# Altium PCB STM32VET6_PCB.PcbDoc (part 2 of 2)
Units mil, origin at the board's own origin, x right, y up, seen from the top; angles counter-clockwise.
Board outline 4926.29 x 3548.34 mil, 2 copper layers (Top Layer, Bottom Layer); 74 components, 112 nets, 463 pads, 168 vias.
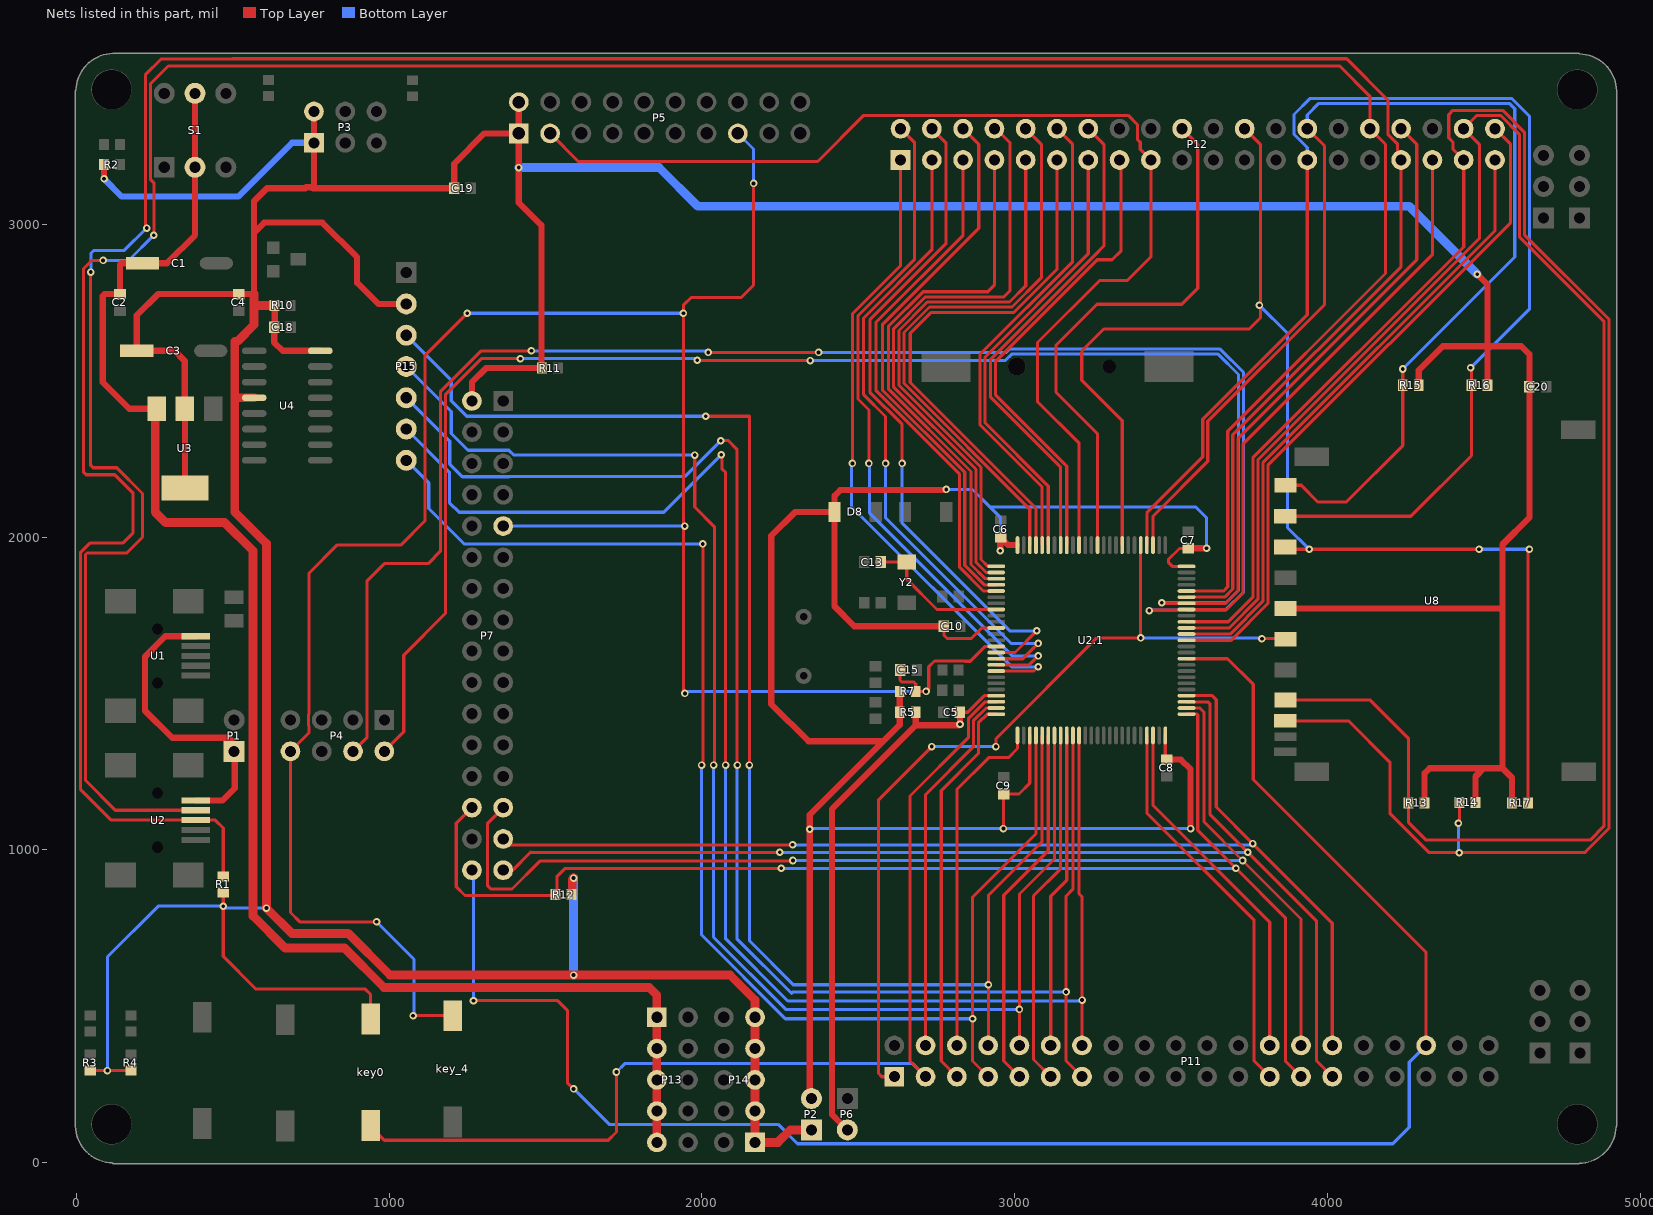
[diagram p2: the nets of this part, all layers, seen from the top]

## Via types
v1: diameter 24, hole 12, Top Layer to Bottom Layer, 91 vias
v2: diameter 24, hole 12, Top Layer to Bottom Layer, tented both sides, 71 vias
v3: diameter 137.8, hole 78.74, Top Layer to Bottom Layer, 4 vias
v4: diameter 66.93, hole 64.57, Top Layer to Bottom Layer, 1 vias
v5: diameter 47.24, hole 45.67, Top Layer to Bottom Layer, 1 vias

## Nets (pads, with @x,y where several pads share a name; then routed paths per layer and width w, separated by ;. In a path a pad name is that pad's centre, name@x,y a point inside that pad or via, vN(x,y) a via of type N, cw(c..) or ccw(c..) an arc to the next point about the centre after c; other vN are vias at no path point) (continued)
NJTRST: P5.3 P12.9 U2.1.90 | length 3606.3
  Top Layer w10: P5.3@1515,3290 1605,3200 2370,3200 2517.5,3347.5 3362.5,3347.5 3392.5,3317.5 3392.5,3270.12 3401,3261.63 3401,3239 P12.9@3435,3205 3435,2895 3360,2820 3271.21,2820 3072.83,2621.63 3072.83,2432.48 3205.63,2299.68 U2.1.90@3205.63,1974.13
OLED_D/C#: P11.34 P15.6 U2.1.36 | length 5020.5
  Top Layer w10: v1(2062,2263) 2064,2261 2064,2218 2076,2206 v1@2076,1269 ; U2.1.36@3205.41,1365.87 3205.41,859.59 3215,850 v1(3215,520) P11.34@3215,375
  Bottom Layer w10: P15.6@1055,2345 1193,2207 1193,2110 1224,2079 1878,2079 v1(2062,2263) ; v1@2076,1269 2076,716 2275,517 3212,517 v1(3215,520)
  other v1: 2075.5,1271
OLED_RES#: P11.7 P15.5 U2.1.35 | length 5081
  Top Layer w10: v1(2060,2308) 2085,2308 2112,2281 v1@2112,1266 ; U2.1.35@3185.94,1365.87 3185.94,873.94 3164,852 v1(3164,546) 3164,326 P11.7@3215,275
  Bottom Layer w10: P15.5@1055,2445 1194,2306 1194,2233 1234.5,2192.5 1382.6,2192.5 1383.1,2193 1945,2193 v1(2060,2308) ; v1@2112,1271 2112,716 2287,541 2292,546 v1(3164,546)
  other v1: 2113.75,1271
PA0: key0.1 P11.2 U2.1.23 | length 3376.7
  Top Layer w10: key0.1@941.67,115.33 985,72 1701,72 1727,98 v1(1727,290) ; P11.2@2715,275 2665,325 2665,1172 2851.87,1358.87 2851.87,1419.24 2905.78,1473.15 U2.1.23@2940.87,1473.15
  Bottom Layer w10: v1(1727,290) 1754.5,317.5 2672.5,317.5 P11.2@2715,275
PA1: P11.39 U2.1.24 | length 1190.9
  Top Layer w10: P11.39@2715,375 2715,1177 2867.87,1329.87 2867.87,1412.61 2908.72,1453.46 U2.1.24@2940.87,1453.46
PA2: P11.3 U2.1.25 | length 1269.4
  Top Layer w10: P11.3@2815,275 2765,325 2765,1189 2883.87,1307.87 2883.87,1405.98 2911.66,1433.78 U2.1.25@2940.87,1433.78
PA3: P11.38 U2.1.26 | length 1108
  Top Layer w10: P11.38@2815,375 2815,1193 2917,1295 2980,1295 3008.78,1323.78 U2.1.26@3008.78,1365.87
PA4: P11.4 P15.7 U2.1.29 | length 4544.3
  Top Layer w10: v1(1999,1271) 2003,1275 v1(2003,1978) ; P11.4@2915,275 2865,325 v1(2865,460) 2865,849 3067.83,1051.83 U2.1.29@3067.83,1365.87
  Bottom Layer w10: P15.7@1055,2245 1127,2173 1127,2091 1240.5,1977.5 2009.5,1977.5 2009,1978 v1(2003,1978) ; v1(1999,1271) 1999,728 2267,460 v1(2865,460)
PA5: P11.37 P15.3 U2.1.30 | length 4804.3
  Top Layer w10: v1(2012,2386) 2152,2386 v1(2152,1271) v1@2152,1265 ; P11.37@2915,375 2916,376 v1(2916,569) 2916,855 3087.52,1026.52 U2.1.30@3087.52,1365.87
  Bottom Layer w10: P15.3@1055,2645 1199,2501 1199,2435 1248,2386 v1(2012,2386) ; v1@2152,1265 2152,709 2292,569 v1(2916,569)
PA6: P11.5 U2.1.31 | length 1170.5
  Top Layer w10: P11.5@3015,275 2965,325 2965,855 3107.2,997.2 U2.1.31@3107.2,1365.87
PA7: P11.36 P15.4 U2.1.32 | length 4759.5
  Top Layer w10: v1(1977,2262) 1977,2096 2040,2033 2040,1271 v1@2037,1268 ; P11.36@3015,375 v1(3015,490) 3015,859 3126.89,970.89 U2.1.32@3126.89,1365.87
  Bottom Layer w10: P15.4@1055,2545 1199,2401 1199,2331 1252.5,2277.5 1382.6,2277.5 1398.1,2262 v1(1977,2262) ; v1@2037,1268 2037,721 2268,490 v1(3015,490)
  other v1: 2037.25,1271
PA9: P4.7 P12.18 U2.1.68 | length 6993
  Top Layer w10: P4.7@885,1315 930,1360 930,1860 985,1915 1125,1915 1164,1954 1164,2464 1295,2595 v1(1455,2595) ; v1(2020,2590) 2023,2593 2026,2590 v1(2373,2590) ; v1(3430,1765) 3432,1767 3547.71,1767 U2.1.68@3549.13,1768.43 3676.77,1768.43 3729,1820.66 3729,2296 4335,2902 P12.18@4335,3205
  Bottom Layer w10: v1(1455,2595) 2015,2595 v1(2020,2590) ; v1(2373,2590) 2972.91,2590 2983.45,2600.54 3656.63,2600.54 3731,2526.17 3731,1823.37 3674.63,1767 3432,1767 v1(3430,1765)
PA10: P4.8 P12.24 U2.1.69 | length 6787.8
  Top Layer w10: P4.8@985,1315 1047,1377 1047,1622.35 1180,1755.35 1180,2455 1295,2570 v1(1420,2570) ; v1(1985,2565) 1986,2564 v1(2346,2564) ; v1(3470,1790) 3471.89,1788.11 U2.1.69@3549.13,1788.11 3673.83,1788.11 3713,1827.28 3713,2314.48 4285,2886.48 4285,3255 P12.24@4235,3305
  Bottom Layer w10: v1(1420,2570) 1980,2570 v1(1985,2565) ; v1(2346,2564) 2969.53,2564 2990.08,2584.54 3650,2584.54 3715,2519.54 3715,1830 3675,1790 v1(3470,1790)
PA11: P12.17 U2.1.70 U2.2 | length 9022.7
  Top Layer w10: v1(47,2847) 46.27,2846.27 46.27,2229.27 54.27,2221.27 129.73,2221.27 212.12,2138.88 212.12,1999.58 161.54,1949 35,1949 30,1944 30,1222 125.51,1126.49 U2.2@382.36,1126.49 ; v1(225.5,2987.5) 221.11,2991.89 221.11,3477.11 272,3528 498.75,3528 499.37,3528.63 4060.63,3528.63 4192.5,3396.75 4192.5,3287.4 4223,3256.9 P12.17@4223,3229 ; U2.1.70@3549.13,1807.8 3670.88,1807.8 3697,1833.91 3697,2326.32 4235,2864.32 P12.17@4235,3205
  Bottom Layer w10: v1(47,2847) 47,2906 57,2916 154,2916 v1(225.5,2987.5)
PA12: P12.25 R1.1 U2.1.71 U2.3 | length 9230.9
  Top Layer w10: v1(86,2884) 49,2884 49,2883 24,2858 24,2207 32,2199 123,2199 182,2140 182,2014 148.5,1980.5 43.87,1980.5 13.5,1950.13 13.5,1193.96 112.46,1095 U2.3@382.36,1095 445,1095 470,1070 R1.1@470,915 ; v1(248.13,2964.87) 248.5,2965.25 248.5,3132.48 237.11,3143.87 237.11,3447.86 294.63,3505.37 521.37,3505.37 522,3506 4038,3506 4135,3409 P12.25@4135,3305 4185,3255 4185,2842.16 3681,2338.16 3681,1840.54 3667.94,1827.48 U2.1.71@3549.13,1827.48
  Bottom Layer w10: v1(86,2884) 167.25,2884 v1(248.13,2964.87)
PB6: P12.8 U2.1.92 | length 1521.1
  Top Layer w10: U2.1.92@3166.26,1974.13 3166.26,2226.11 2939,2453.37 2939,2561.63 3263.37,2886 3311,2886 3340,2915 3340,3200 P12.8@3335,3205
PB7: P12.34 U2.1.93 | length 1594.3
  Top Layer w10: U2.1.93@3146.57,1974.13 3146.57,2223.17 2923,2446.75 2923,2568.25 3256.75,2902 3257,2902 3285,2930 3285,3255 P12.34@3235,3305
PB8: P12.7 U2.1.95 | length 1451.3
  Top Layer w10: U2.1.95@3107.2,1974.13 3107.2,2162.8 2905,2365 2905,2575 3235,2905 P12.7@3235,3205
PB9: P12.35 U2.1.96 | length 1556.4
  Top Layer w10: U2.1.96@3087.52,1974.13 3087.52,2159.85 2889,2358.37 2889,2584 3185,2880 3185,3255 P12.35@3135,3305
PB10: P11.13 U2.1.47 | length 1253.6
  Top Layer w10: U2.1.47@3422.17,1365.87 3422.17,1117.83 3765,775 3765,325 P11.13@3815,275
PB11: P11.28 U2.1.48 | length 1145.4
  Top Layer w10: U2.1.48@3441.85,1365.87 3441.85,1142.15 3815,769 P11.28@3815,375
PB12: P7.28 P11.14 R12.1 U2.1.51 | length 4180.7
  Top Layer w10: P7.28@1265,1135 1215,1085 1215,882 1243,854 1536.41,854 1536.41,914.41 1562,940 1561,941 v2(2254,941) ; U2.1.51@3549.13,1433.78 3582.68,1433.78 3585,1431.46 3585,1063 v2(3707,941) 3865,783 3865,325 P11.14@3915,275
  Bottom Layer w10: v2(2254,941) v2(3707,941)
PB13: P7.27 P11.27 U2.1.52 | length 3970
  Top Layer w10: P7.27@1365,1135 1315,1085 1315,885 1325,875 1393,875 1482,964 2280,964 v2@2281,965 ; U2.1.52@3549.13,1453.46 3591.54,1453.46 3604.69,1440.31 3604.69,1089.31 v2(3728,966) 3915,779 P11.27@3915,375
  Bottom Layer w10: v2(2291,966) v2(3728,966)
PB14: P7.31 P11.15 U2.1.53 | length 3836.5
  Top Layer w10: P7.31@1365,935 1395,935 1452,992 ; 1453.5,993.5 1452,992 ; v2(2249,992) 1452,992 ; U2.1.53@3549.13,1473.15 3616.85,1473.15 3624.37,1465.63 3624.37,1112.63 v2(3745,992) 3965,772 3965,325 P11.15@4015,275
  Bottom Layer w10: v2(2249,992) v2(3745,992)
PB15: P7.29 P11.26 U2.1.54 | length 3764.4
  Top Layer w10: P7.29@1365,1035 1384,1016 v2(2290,1016) v2@2296,1016 ; U2.1.54@3549.13,1492.83 3631.17,1492.83 3644.06,1479.94 3644.06,1136.94 v2(3761,1020) 4015,766 P11.26@4015,375
  Bottom Layer w10: v2@2296,1016 3757,1016 v2(3761,1020)
PC0: P12.39 U2.1.15 | length 2153.3
  Top Layer w10: v2(2640,2235) 2640,2360 2537,2463 2537,2694 2780,2937 2780,3260 P12.39@2735,3305 ; U2.1.15@2940.87,1630.63 3000.63,1630.63 v2(3070,1700)
  Bottom Layer w10: v2(2640,2235) 2640,2044 2984,1700 v2(3070,1700)
PC1: P12.2 U2.1.16 | length 2060.8
  Top Layer w10: v2(2587,2235) 2587,2385 2517,2455 2517,2700 2735,2918 P12.2@2735,3205 ; U2.1.16@2940.87,1610.94 3025.94,1610.94 v2(3075,1660)
  Bottom Layer w10: v2@2587,2224 2587,2061 2988,1660 v2(3075,1660)
PC2: P12.40 U2.1.17 | length 2210.8
  Top Layer w10: v2(2534,2235) 2534,2406 2499,2441 2499,2707 2680,2888 2680,3260 P12.40@2635,3305 ; U2.1.17@2940.87,1591.26 3046.26,1591.26 v2(3075,1620)
  Bottom Layer w10: v2@2536,2235 2536,2076.37 2992.37,1620 v2(3075,1620)
PC3: P12.1 U2.1.18 | length 2120.6
  Top Layer w10: v2(2481,2235) 2481,2713 2635,2867 P12.1@2635,3205 ; U2.1.18@2940.87,1571.57 3061.57,1571.57 v2(3075,1585)
  Bottom Layer w10: v2@2478,2235 2478,2097 2990,1585 v2(3075,1585)
PC4: P11.6 U2.1.33 | length 1149.5
  Top Layer w10: P11.6@3115,275 3060,330 3060,853 3146.57,939.57 U2.1.33@3146.57,1365.87
PC5: P11.35 U2.1.34 | length 1012.1
  Top Layer w10: P11.35@3115,375 3115,852 3166.26,903.26 U2.1.34@3166.26,1365.87
PC6: P12.21 U2.1.63 | length 2168.2
  Top Layer w10: U2.1.63@3549.13,1670 3691.48,1670 3809,1787.52 3809,2229 4585,3005 4585,3255 P12.21@4535,3305
PC7: P12.20 U2.1.64 | length 2005.3
  Top Layer w10: U2.1.64@3549.13,1689.69 3688.54,1689.69 3793,1794.15 3793,2237 4535,2979 P12.20@4535,3205
PC8: P12.22 R13.1 U2.1.65 U8.7 | length 6007.4
  Top Layer w10: U2.1.65@3549.13,1709.37 3685.6,1709.37 3777,1800.77 3777,2246 4485,2954 4485,3255 P12.22@4435,3305 4477.5,3347.5 4552.6,3347.5 4613,3287.1 4613,2960 4883,2690 4883,1075 4839,1031 4315,1031 4258.82,1087.18 R13.1@4258.82,1150 4258.82,1355.18 4134.75,1479.25 U8.7@3865,1479.25
PC9: P12.19 R14.1 U2.1.66 U8.8 | length 6201.1
  Top Layer w10: U2.1.66@3549.13,1729.06 3682.65,1729.06 3761,1807.4 3761,2253 4435,2927 P12.19@4435,3205 4401,3239 4401,3261.63 4387,3275.63 4387,3349.99 4400.5,3363.5 4559.23,3363.5 4629,3293.73 4629,2966.63 4899,2696.63 4899,1068.37 4824,993.37 4824,991 v1(4421,991) 4325,991 4199,1117 4199,1280 4066.82,1412.18 U8.8@3864.64,1412.18 ; v1(4418,1085) 4421.41,1088.41 R14.1@4421.41,1152
  Bottom Layer w10: v1(4418,1085) 4418,994 v1(4421,991)
PC10: P12.27 R15.1 U2.1.78 U8.9 | length 4007
  Top Layer w10: U2.1.78@3441.85,1974.13 3441.85,2066.85 3617,2242 3617,2369.88 3990,2742.88 3990,3250 P12.27@3935,3305 ; U8.9@3865,2165.28 3915.72,2165.28 3969,2112 4060,2112 4240,2292 R15.1@4240,2485 v1(4240,2537)
  Bottom Layer w10: P12.27@3935,3305 3935,3349 3972,3386 4581,3386 4598,3369 4598,2895 v1(4240,2537)
PC11: P12.14 R16.1 U2.1.79 U8.1 | length 4243.8
  Top Layer w10: U2.1.79@3422.17,1974.13 3422.17,2077.17 3601,2256 3601,2376.51 3935,2710.51 P12.14@3935,3205 ; U8.1@3864.64,2066.18 4266.18,2066.18 4460,2260 R16.1@4460,2485 4460,2538 v1(4457,2541)
  Bottom Layer w10: P12.14@3935,3205 3935,3244.9 3892.5,3287.4 3892.5,3350.5 3944,3402 4587.63,3402 4645.54,3344.09 4645.54,2729.54 v1(4457,2541)
PC12: P11.1 U2.1.80 U8.5 | length 2756.6
  Top Layer w10: P11.1@2615,275 2575,275 2565,285 2565,1160 v2(2735,1330) ; v2(2940,1330) 2940,1355 3262.52,1677.52 v2(3402.48,1677.52) U2.1.80@3402.48,1974.13 ; v2(3790,1675) 3863.15,1675 U8.5@3865,1673.15
  Bottom Layer w10: v2(2735,1330) v2(2940,1330) ; v2(3402.48,1677.52) 3787.48,1677.52 v2(3790,1675)
PC14: C13.2 U2.1.8 Y2.1 | length 464.3
  Top Layer w10: C13.2@2571.57,1920 C13.2@2571.57,1920 Y2.1@2655,1919.96 2655,1865 2751.57,1768.43 U2.1.8@2940.87,1768.43
PD2: P12.29 R17.1 U2.1.83 U8.2 | length 4355.9
  Top Layer w10: U2.1.83@3343.43,1974.13 3343.43,2371.57 3214.31,2500.68 3214.31,2589.57 3215,2590.25 3215,2595 3285,2665 3750,2665 3785,2700 3785,3255 P12.29@3735,3305 ; U8.2@3864.64,1968.18 3871.82,1961 v1(3941,1961) v1(4484,1961) ; R17.1@4640.59,1150 4640.59,1956.59 v1(4645,1961)
  Bottom Layer w10: v1(3782,2741) 3872,2651 3872,2030 v1(3941,1961) ; v1(4484,1961) v1(4645,1961)
PD6: P12.31 U2.1.87 | length 1753
  Top Layer w10: U2.1.87@3264.69,1974.13 3264.69,2330.32 3131.89,2463.11 3131.89,2612.8 3263.09,2744 3534,2744 3585,2795 3585,3255 P12.31@3535,3305
PD13: P7.32 P11.23 U2.1.60 | length 5670.8
  Top Layer w10: v1(1270,518) 1539,518 1570,487 1570,256 v1(1590,236) ; U2.1.60@3549.13,1610.94 3680.06,1610.94 3762.17,1528.83 3762.17,1224.83 4315,672 P11.23@4315,375
  Bottom Layer w10: P7.32@1265,935 1270,930 v1(1270,518) ; v1(1590,236) 1703.5,122.5 2243.57,122.5 2305.54,60.54 4208.54,60.54 4261,113 4261,321 P11.23@4315,375
PE0: P12.6 U2.1.97 | length 1746.2
  Top Layer w10: U2.1.97@3067.83,1974.13 3067.83,2092.17 2666,2494 2666,2651 2732,2717 2996,2717 3135,2856 P12.6@3135,3205
PE1: P12.36 U2.1.98 | length 1854.6
  Top Layer w10: P12.36@3035,3305 3085,3255 3085,2828.63 2991.37,2735 2727.37,2735 2646,2653.63 2646,2491.37 3048.15,2089.22 U2.1.98@3048.15,1974.13
PE2: P12.5 U2.1.1 | length 1764.8
  Top Layer w10: U2.1.1@2940.87,1906.22 2913.78,1906.22 2892.09,1927.91 2892.09,2222.66 2630,2484.75 2630,2660.25 2720.75,2751 2983,2751 3035,2803 P12.5@3035,3205
PE3: P12.37 U2.1.2 | length 1897.9
  Top Layer w10: P12.37@2935,3305 2940,3305 2985,3260 2985,2787 2965,2767 2714.12,2767 2613,2665.88 2613,2479.12 2876.09,2216.03 2876.09,1918.91 2908.46,1886.54 U2.1.2@2940.87,1886.54
PE4: P12.4 U2.1.3 | length 1763.4
  Top Layer w10: P12.4@2935,3205 2935,2805 2914,2784 2707,2784 2596,2673 2596,2473.49 2860.09,2209.4 2860.09,1912.29 2905.52,1866.85 U2.1.3@2940.87,1866.85
PE5: P12.38 U2.1.4 | length 1779.3
  Top Layer w10: P12.38@2835,3305 2885,3255 2885,2987 2577,2679 2577,2469.86 2840,2206.86 2840,1909.75 2902.58,1847.17 U2.1.4@2940.87,1847.17
PE6: P12.3 U2.1.5 | length 1675.8
  Top Layer w10: P12.3@2835,3205 2835,2965 2557,2687 2557,2467.24 2824,2200.24 2824,1903.12 2899.64,1827.48 U2.1.5@2940.87,1827.48
RESET: C15.2 key_4.2 P4.5 P5.15 P7.9 R7.1 U2.1.14 | length 7551.6
  Top Layer w10: v1(960,770) 715,770 685,800 P4.5@685,1315 744,1374 744,1395.9 742.5,1397.4 742.5,1432.6 744,1434.1 744,1884 835,1975 1038.56,1975 1114.7,2051.14 1114.7,2579.7 v1(1250,2715) ; v1(1077,470) 1077,473 1080,470 key_4.2@1203,470 ; v1(1946,1500) 1941,1505 v1(1941,2715) 1941,2741 1965,2765 2125,2765 2165,2805 v1(2165,3130) ; C15.2@2633.43,1575 2633.43,1542.57 2640,1536 2678,1536 2683.62,1530.38 R7.1@2683.62,1506.52 v1(2716.52,1506.52) 2725,1515 2725,1585 2743.72,1603.72 2840.3,1603.72 2841.02,1603 2858.25,1603 2905.57,1650.31 U2.1.14@2940.87,1650.31
  Bottom Layer w10: v1(960,770) 1080,650 1080,473 v1(1077,470) ; v1(1250,2715) v1(1941,2715) ; P7.9@1365,2035 v1(1945,2035) ; v1(1946,1500) 1952.52,1506.52 v1(2716.52,1506.52) ; P5.15@2115,3290 2165,3240 v1(2165,3130)
VCC_3.3V: C3.1 C4.2 C18.2 C19.1 C20.2 key0.2 P2.1 P3.1 P3.6 P5.1 P5.2 P7.2 P14.1 P14.2 P14.3 P14.4 P14.5 P15.2 R1.2 R2.2 R3.2 R4.2 R10.1 R11.2 R12.2 R13.2 R14.2 R15.2 R16.2 R17.2 U3.2 U3.4 U4.4 U4.16 U8.4 | length 18953.8
  Top Layer w10: R3.2@45,294.41 v1(100,294.41) R4.2@175,294.41 ; R1.2@470,863.82 v1(470,820) 470,660 575,555 924,555 941,538 key0.2@941,459
  Top Layer w20: R2.2@88.82,3190 87.82,3189 89,3187.82 v1(89,3145) ; U3.4@348.12,2156.46 348.12,2409.33 U3.2@347.45,2410 347.45,2562.55 315,2595 C3.1@193.89,2595 193.89,2708.89 261.57,2776.57 C4.2@520,2776.57 568.43,2776.57 568.43,2972.43 ; R10.1@634.41,2740 634.41,2670.98 C18.2@633.43,2670 633.43,2621.57 660,2595 U4.16@780,2595 ; P3.6@760,3360 P3.1@760,3260 760,3118 ; P15.2@1055,2745 966,2745 898,2813 898,2894 787,3005 601,3005 568.43,2972.43 ; P7.2@1265,2435 1265,2495 1310,2540 R11.2@1489.41,2540 1487,2542.41 1487,2997 1415,3069 v1(1415,3181) P5.1@1415,3290 ; P5.2@1415,3390 P5.1@1415,3290 ; U8.4@3865,1771.57 4551.43,1771.57 4559,1764 ; R15.2@4291.18,2485 4291.18,2533.18 4368,2610 4511.18,2610 ; R13.2@4310,1150 4310,1245 4326,1261 4499,1261 ; R14.2@4472.59,1152 4472.59,1234.59 4499,1261 ; v1(4478,2840) 4511.18,2806.82 4511.18,2610 ; R16.2@4511.18,2485 4511.18,2610 ; R17.2@4589.41,1150 4589.41,1230.59 4559,1261 ; 568.43,2972.43 568.43,3073.43 610,3115 732,3115 735,3118 760,3118 ; 760,3118 757,3115 C19.1@1208.43,3115 1208.43,3193.43 1305,3290 P5.1@1415,3290 ; 4499,1261 4559,1261 ; 4511.18,2610 4619,2610 4645,2584 C20.2@4645,2480 4645,2062 4559,1976 4559,1764 ; 4559,1261 4559,1764
  Top Layer w28: 568.43,2776.57 568.43,2740 ; U4.4@569,2445 509,2445 507,2447 ; R10.1@634.41,2740 568.43,2740 ; R12.2@1585.59,857 1585.59,905.59 v1(1590,910) ; P2.1@2350,105 2283,105 2243,65 P14.1@2170,65 P14.2@2170,165 P14.3@2170,265 P14.4@2170,365 P14.5@2170,465 2170,520 2090,600 v1(1590,600) 1003,600 870,733 689,733 v1(608,814) 608,1979 507,2080 507,2447 ; 507,2447 507,2626 516,2626 568.43,2678.43 568.43,2740
  Bottom Layer w10: v1(100,294.41) 100,658 262,820 v1(470,820) 476,814 v1(608,814)
  Bottom Layer w20: v1(89,3145) 146,3088 518,3088 690,3260 P3.1@760,3260
  Bottom Layer w28: v1(1415,3181) 1863,3181 1987,3057 4261,3057 v1(4478,2840) ; v1(1590,600) v1(1590,910)
VCC_3.3V_MCU: C6.2 C7.2 C8.2 C9.2 C10.2 D8.1 P2.2 R5.2 R7.2 U2.1.11 U2.1.28 U2.1.50 U2.1.75 U2.1.100 | length 7285.9
  Top Layer w10: C10.2@2773.43,1715 2773.43,1686.57 2785,1675 2860,1675 2894.37,1709.37 U2.1.11@2940.87,1709.37 ; v2(2964,1068) 2964,1167.43 2970,1173.43 C9.2@2965,1178.43 3013.43,1178.43 3048.15,1213.15 U2.1.28@3048.15,1365.87 ; U2.1.50@3481.22,1365.87 3481.22,1293.35 C8.2@3486,1288.57 ; U2.1.75@3549.13,1906.22 3503.78,1906.22 3491,1919 3491,1928 3526.43,1963.43 C7.2@3555,1963.43
  Top Layer w20: P2.2@2350,205 2345,210 v1(2345,1066) 2345,1112 2580,1347 ; R7.2@2632.44,1506.52 R5.2@2632.44,1440 2632.44,1399.44 2580,1347 ; C10.2@2773.43,1715 2487,1715 2424.06,1777.94 D8.1@2424.06,2080 ; v1(2781,2152) 2779,2150 2442.11,2150 2424.06,2131.94 D8.1@2424.06,2080 ; v1(2954,1956) 2954,1997.43 C6.2@2955,1998.43 2979.29,1974.13 U2.1.100@3006.56,1974.13 ; C8.2@3486,1288.57 3531,1288.57 3562,1257.57 v1(3562,1068) ; C7.2@3555,1963.43 3555.57,1964 v1(3613,1964) ; D8.1@2424.06,2080 2298,2080 2222,2004 2222,1466 2341,1347 2580,1347
  Bottom Layer w10: v1(2345,1066) 2347,1068 v2(2964,1068) v1(3562,1068) ; v1(2781,2152) 2865,2152 2921.5,2095.5 ; v1(2954,1956) 2954,2063 2921.5,2095.5 ; v1(3613,1964) 3613,2062 3579.5,2095.5 2921.5,2095.5
VCC_5V: C1.1 C2.2 P13.1 P13.2 P13.3 P13.4 P13.5 S1.2 S1.5 U3.3 | length 5093.4
  Top Layer w20: U3.3@253.12,2410 170,2410 85,2495 85,2770 91.57,2776.57 C2.2@140,2776.57 140,2870 145,2875 C1.1@211.89,2875 290,2875 380,2965 S1.2@380,3181.89 S1.5@380,3418.11
  Top Layer w28: U3.3@256.9,2410 253.12,2410 253.12,2078.88 286,2046 475,2046 565,1956 565,789 668,686 858,686 984,560 1832,560 1856,536 P13.1@1856,465 P13.2@1856,365 P13.3@1856,265 P13.4@1856,165 P13.5@1856,65
VCC_A3.3V: C5.2 P6.2 R5.1 U2.1.22 | length 1786.1
  Top Layer w10: v2@2824.13,1400.87 v2@2824.13,1401.73 ; C5.2@2824.13,1440 2850,1440 2902.83,1492.83 U2.1.22@2940.87,1492.83
  Top Layer w20: P6.2@2465,105 2415.54,154.46 2415.54,245.56 2416,246.02 2416,1131 2683.62,1398.62 ; R5.1@2683.62,1440 2683.62,1398.62 ; v2@2824.13,1400.87 2821.89,1398.62 2683.62,1398.62 ; C5.2@2824.13,1440 2825,1439.13 v2(2825,1401.73)
Vusb: P1.1 U1.1 U2.1 | length 975.2
  Top Layer w20: U2.1@382.36,1157.99 467.99,1157.99 507,1197 507,1338 487,1358 307,1358 220,1445 220,1617.6 285.39,1682.99 U1.1@382.36,1682.99
pads on no net: C4.1 P5.11 P5.17 P5.19 P7.7 P7.8 P7.30 S1.1 S1.6 U1.4 U1.MH1 U1.MH2 U2.1.73 U2.4 U2.MH1 U2.MH2 U4.7 U4.8 U4.9 U4.10 U4.11 U4.14 U4.15 U5.0 U8.10 U8.12
copper on no net:
  other v3: 97.8,2088.94 1034.8,2088.94 97.8,3006.26 1034.8,3006.26
  other v4: 3994.64,2171.18
  other v5: 3994.64,1341.18

## Polygon pours and split planes (outlines as drawn)
GND on Top Layer "Top_GND" (solid, remove dead copper, pour order 8): -129,3608 -59,3538 -59,-130 5081,-130 5099,-112 5093,-106 5093,3655
NetP18_1 on Top Layer "P18_Coper" (solid, remove dead copper, pour order 0): 4629,600 4625,596 4625,302 4724,302 4732,310 4732,595 4727,600
NetP19_1 on Top Layer "P19_Coper" (solid, remove dead copper, pour order 2): 4756.87,600 4752.87,596 4752.87,302 4851.87,302 4859.87,310 4859.87,595 4854.87,600
NetP16_1 on Top Layer "P16_Coper" (solid, remove dead copper, pour order 4): 4640.06,3268.94 4636.06,3264.94 4636.06,2970.94 4735.06,2970.94 4743.06,2978.94 4743.06,3263.94 4738.06,3268.94
NetP17_1 on Top Layer "P17_Coper" (solid, remove dead copper, pour order 6): 4755.06,3268.94 4751.06,3264.94 4751.06,2970.94 4850.06,2970.94 4858.06,2978.94 4858.06,3263.94 4853.06,3268.94
GND on Bottom Layer "Bottom_GND" (solid, remove dead copper, pour order 10): -159,3790 -159,-223 -59,-323 5263,-323 5263,3866 5298,3901

## Keep-outs
Keep-Out Layer:
  lines w5: 0,118.11 0,3425.2 ; 0.2,120 ccw(c118.31,120) 118.31,1.89 ; 1.89,3425 cw(c120,3425) 120,3543.11 ; 118.11,0 4803.15,0 ; 118.11,3543.31 4803.15,3543.31 ; 4801.26,0.2 ccw(c4801.26,118.31) 4919.37,118.31 ; 4802.95,3541.42 cw(c4802.95,3423.31) 4921.06,3423.31 ; 4921.26,118.11 4921.26,3425.2

## Silkscreen, mask and mechanical layers (free items; w line width, h text height)
Top Overlay:
  lines w5: 735,865 735,1840 ; 835,860 835,1837.5 ; 935,865 935,1840 ; 1035,1275 1035,860 630,860 630,1840 1035,1840 1035,1465 ; 1205,1885 2140,1885 ; 1210,1785 2135,1785 ; 1210,2385 2145,2385 ; 1215,985 2145,985 ; 1215,1085 2145,1085 ; 1215,1185 2145,1185 ; 1215,1285 2145,1285 ; 1215,1385 2145,1385 ; 1215,1485 2145,1485 ; 1215,1585 2145,1585 ; 1215,1685 2140,1685 ; 1215,1985 2145,1985 ; 1215,2085 2130,2085 ; 1215,2285 2140,2285 ; 1220,2185 2145,2185 ; 1415,2485 2145,2485 2145,890 1420,890 ; 1755,890 1755,2485 ; 1805,515 1805,580 2220,580 2220,515 ; 1915,520 1915,580 ; 2080,520 2080,580 ; 2300,255 2300,540 2400,540 2400,255 ; 2415,255 2415,535 2515,535 2515,255 ; 2660,40 2660,615 ; 2685,2970 2685,3520 ; 2765,40 2765,615 ; 2785,2975 2785,3520 ; 2865,35 2865,615 ; 2885,2970 2885,3520 ; 2965,40 2965,610 ; 2985,2970 2985,3520 ; 3065,40 3065,615 ; 3085,2970 3085,3520 ; 3165,40 3165,615 ; 3185,2975 3185,3520 ; 3265,50 3265,615 ; 3285,2975 3285,3520 ; 3365,35 3365,615 ; 3385,2975 3385,3520 ; 3465,35 3465,615 ; 3485,2975 3485,3520 ; 3565,35 3565,615 ; 3585,2972.5 3585,3520 ; 3665,40 3665,610 ; 3685,2970 3685,3520 ; 3765,35 3765,615 ; 3785,2975 3785,3520 ; 3865,40 3865,620 ; 3885,2970 3885,3520 ; 3965,35 3965,615 ; 3985,2970 3985,3520 ; 4065,35 4065,620 ; 4085,2970 4085,3520 ; 4165,35 4165,615 ; 4185,2975 4185,3520 ; 4265,35 4265,615 ; 4285,2975 4285,3515 ; 4365,40 4365,615 ; 4385,2970 4385,3515 ; 4465,40 4465,610 ; 4485,2970 4485,3520 ; 4565,415 4560,410 4560,35 2570,35 2570,615 4565,615 4565,425 ; 4485,3520 4495,3520 4585,3520 4585,2970 4580,2970 2585,2970 2585,3520 4485,3520
  text "PC2" at 2620,3500 h39.37 r270
  text "PC0" at 2705,3500 h39.37 r270
  text "PE5" at 2810,3500 h39.37 r270
  text "PE3" at 2920,3500 h39.37 r270
  text "PE1" at 3010,3500 h39.37 r270
  text "PB9" at 3115,3500 h39.37 r270
  text "PB7" at 3205,3500 h39.37 r270
  text "PB5" at 3310,3500 h39.37 r270
  text "PB3" at 3410,3500 h39.37 r270
  text "PD6" at 3525,3500 h39.37 r270
  text "PD4" at 3620,3500 h39.37 r270
  text "PD2" at 3715,3500 h39.37 r270
  text "PD0" at 3820,3500 h39.37 r270
  text "PC10" at 3910,3500 h39.37 r270
  text "PA14" at 4015,3500 h39.37 r270
  text "PA12" at 4115,3500 h39.37 r270
  text "PA10" at 4210,3500 h39.37 r270
  text "PA8" at 4320,3500 h39.37 r270
  text "PC8" at 4415,3500 h39.37 r270
  text "PC6" at 4515,3500 h39.37 r270
  text "BOOT1" at 785,3425 h39.37
  text "BOOT0" at 765,3155 h39.37
  text "PC3" at 2615,3125 h39.37 r270
  text "PC1" at 2710,3125 h39.37 r270
  text "PE6" at 2810,3125 h39.37 r270
  text "PE4" at 2915,3125 h39.37 r270
  text "PE2" at 3010,3125 h39.37 r270
  text "PE0" at 3115,3125 h39.37 r270
  text "PB8" at 3220,3125 h39.37 r270
  text "PB6" at 3310,3125 h39.37 r270
  text "PB4" at 3420,3125 h39.37 r270
  text "PD7" at 3515,3125 h39.37 r270
  text "PD5" at 3615,3125 h39.37 r270
  text "PD3" at 3720,3125 h39.37 r270
  text "PD1" at 3815,3125 h39.37 r270
  text "PC11" at 3920,3125 h39.37 r270
  text "PA15" at 4020,3125 h39.37 r270
  text "PA13" at 4120,3125 h39.37 r270
  text "PA11" at 4215,3125 h39.37 r270
  text "PA9" at 4315,3125 h39.37 r270
  text "PC9" at 4420,3125 h39.37 r270
  text "PC7" at 4520,3125 h39.37 r270
  text "3V3" at 1435,2415 h39.37
  text "GND" at 1785,2415 h39.37
  text "FSMC_A16" at 1435,2320.45 h39.37
  text "FSMC_NE1" at 1785,2320.45 h39.37
  text "FSMC_NOE" at 1435,2219.35 h39.37
  text "FSMC_NWE" at 1785,2219.35 h39.37
  text "NC" at 1435,2111.69 h39.37
  text "NC" at 1785,2111.69 h39.37
  text "DB0" at 1435,2010.58 h39.37
  text "RESET" at 1785,2010.58 h39.37
  text "DB2" at 1435,1909.48 h39.37
  text "DB1" at 1785,1909.48 h39.37
  text "CH340_DIR" at 660,1825 h39.37 r270
  text "BOOT0_CTR" at 763.33,1825 h39.37 r270
  text "CH340_RXD" at 866.67,1825 h39.37 r270
  text "CH340_TXD" at 970,1825 h39.37 r270
  text "DB4" at 1435,1808.38 h39.37
  text "DB3" at 1785,1808.38 h39.37
  text "DB6" at 1435,1707.27 h39.37
  text "DB5" at 1785,1707.27 h39.37
  text "DB8" at 1435,1606.17 h39.37
  text "DB7" at 1785,1606.17 h39.37
  text "DB10" at 1435,1505.06 h39.37
  text "DB9" at 1785,1505.06 h39.37
  text "DB12" at 1435,1403.96 h39.37
  text "DB11" at 1785,1403.96 h39.37
  text "DB14" at 1435,1302.86 h39.37
  text "DB13" at 1785,1302.86 h39.37
  text "MCU_RESET" at 665,1250 h39.37 r270
  text "BOOT0" at 758.44,1250 h39.37 r270
  text "USART1_TXD" at 865,1250 h39.37 r270
  text "USART1_RXD" at 965,1250 h39.37 r270
  text "BL_CTR" at 1435,1208.31 h39.37
  text "DB15" at 1785,1201.75 h39.37
  text "SPI2_CS" at 1435,1107.21 h39.37
  text "SPI2_SCK" at 1785,1107.21 h39.37
  text "SPI2_MOSI" at 1785,1006.1 h39.37
  text "NC" at 1435,999.54 h39.37
  text "TP_PEN" at 1435,905 h39.37
  text "SPI2_MISO" at 1785,905 h39.37
  text "PC13" at 2595,592.8 h39.37 r270
  text "PA1" at 2695,592.8 h39.37 r270
  text "PA3" at 2795,592.8 h39.37 r270
  text "PA5" at 2895,592.8 h39.37 r270
  text "PA7" at 2995,592.8 h39.37 r270
  text "PC5" at 3095,592.8 h39.37 r270
  text "PB1" at 3195,592.8 h39.37 r270
  text "PE7" at 3295,592.8 h39.37 r270
  text "PE9" at 3395,592.8 h39.37 r270
  text "PE11" at 3495,592.8 h39.37 r270
  text "PE13" at 3595,592.8 h39.37 r270
  text "PE15" at 3695,592.8 h39.37 r270
  text "PB11" at 3795,592.8 h39.37 r270
  text "PB13" at 3895,592.8 h39.37 r270
  text "PB15" at 3995,592.8 h39.37 r270
  text "PD9" at 4095,592.8 h39.37 r270
  text "PD11" at 4195,592.8 h39.37 r270
  text "PD13" at 4295,592.8 h39.37 r270
  text "PD15" at 4395,592.8 h39.37 r270
  text "GND" at 4495,592.8 h39.37 r270
  text "5V" at 1820,530 h39.37
  text "GND" at 1960,530 h39.37
  text "3V3" at 2105,530 h39.37
  text "3V3_MCU" at 2335,530 h39.37 r270
  text "VREF+" at 2445,495 h39.37 r270
  text "PC12" at 2590,200 h39.37 r270
  text "PA0" at 2690.53,200 h39.37 r270
  text "PA2" at 2791.05,200 h39.37 r270
  text "PA4" at 2891.58,200 h39.37 r270
  text "PA6" at 2992.11,200 h39.37 r270
  text "PC4" at 3092.63,200 h39.37 r270
  text "PB0" at 3193.16,200 h39.37 r270
  text "PB2" at 3293.68,200 h39.37 r270
  text "PE8" at 3394.21,200 h39.37 r270
  text "PE10" at 3494.74,200 h39.37 r270
  text "PE12" at 3595.26,200 h39.37 r270
  text "PE14" at 3695.79,200 h39.37 r270
  text "PB10" at 3796.32,200 h39.37 r270
  text "PB12" at 3896.84,200 h39.37 r270
  text "PB14" at 3997.37,200 h39.37 r270
  text "PD8" at 4097.89,200 h39.37 r270
  text "PD10" at 4198.42,200 h39.37 r270
  text "PD12" at 4298.95,200 h39.37 r270
  text "PD14" at 4399.47,200 h39.37 r270
  text "GND" at 4500,200 h39.37 r270

## Text inside footprints (layer, text, board x,y; h text height)
P3: Top Overlay "GND" at 1070,3250 h40 r90; Top Overlay "3.3V" at 695,3245 h40 r90
P7: Top Overlay "2" at 1245,2530 h40 r270; Top Overlay "1" at 1350,2515 h40 r270; Top Overlay "31" at 1345,865 h40 r270; Top Overlay "32" at 1240,870 h40 r270
P15: Top Overlay "GND" at 890.64,2825 h39.37; Top Overlay "VCC" at 890.64,2720 h39.37; Top Overlay "D0" at 930,2630 h39.37; Top Overlay "RES" at 890.64,2420 h39.37; Top Overlay "D1" at 943.12,2520 h39.37; Top Overlay "DC" at 930,2325 h39.37; Top Overlay "CS" at 930,2225 h39.37